# KiCad board Inkplate 6 SS_panel.kicad_pcb (continued)
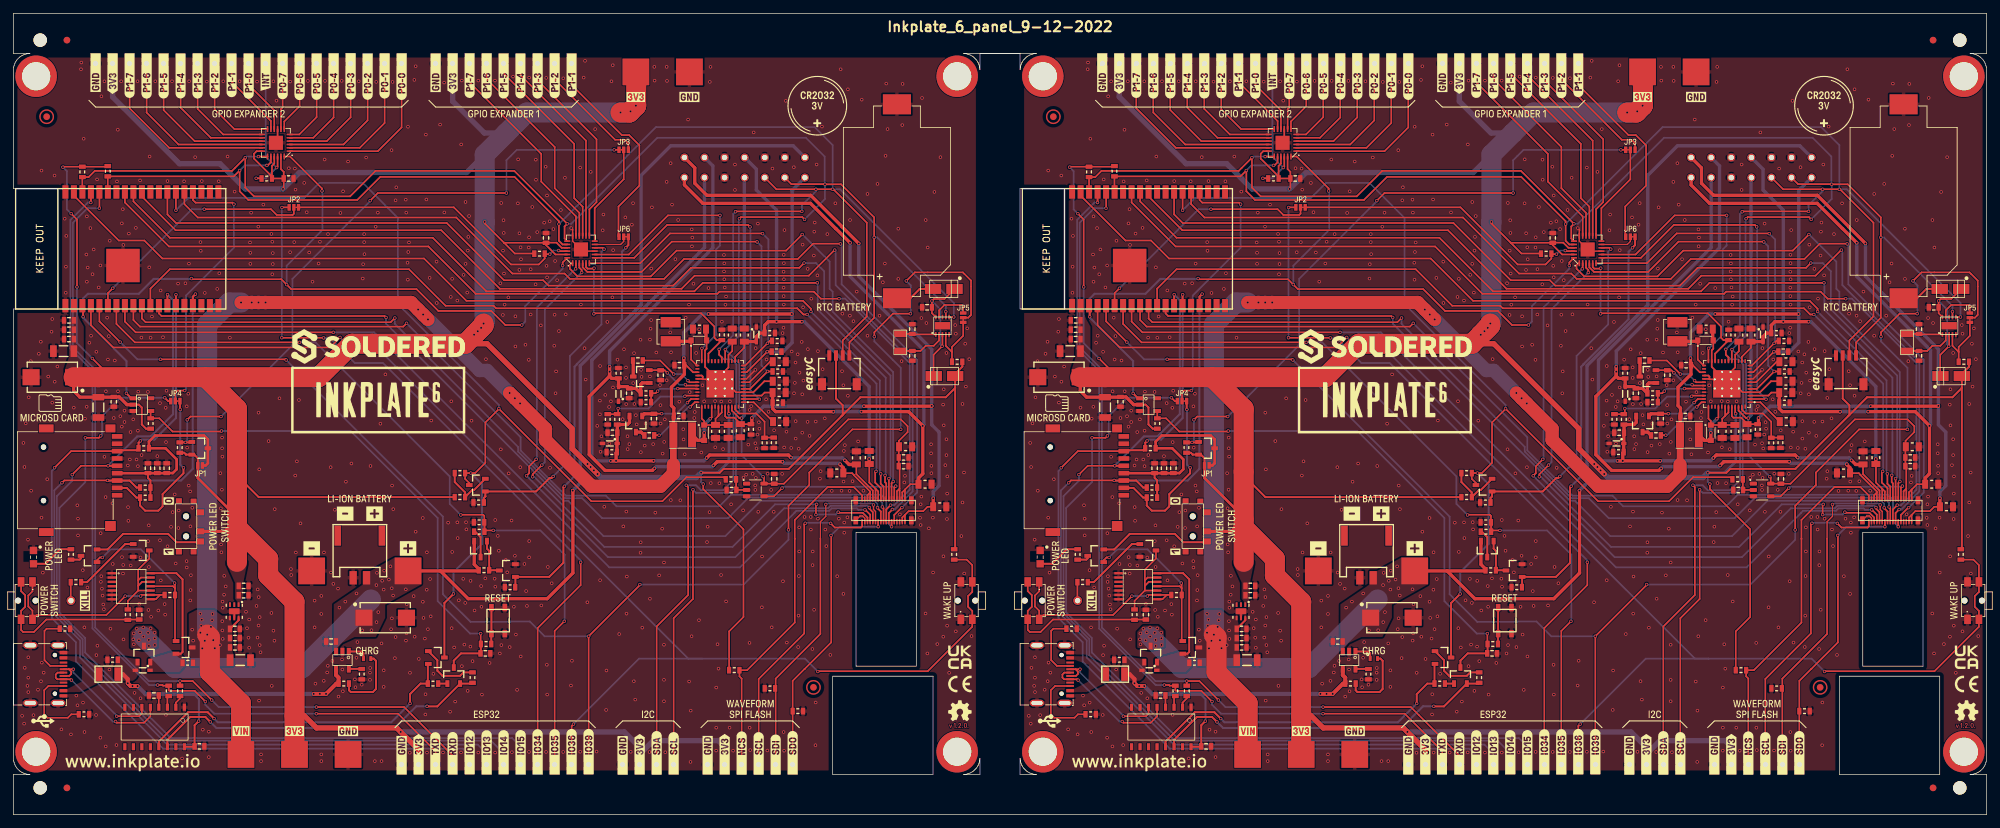
[diagram p0: board, top side]
## Nets (continued)
Board_1-3V3_RTC: C42.2 D10#2.2 D11.2 U10.3 U10.10
Board_1-/CTRL & COMS/CH_RXD: R23.1 U5.3
Board_1-/CTRL & COMS/CH_TXD: R24.1 U5.2
Board_1-/CTRL & COMS/DTR: Q7#2.2 R19.2 U5.13
Board_1-/CTRL & COMS/RTS: Q5.2 R22#2.2 U5.14
Board_1-/MCU/GPB_3: K19.1 U8.13
Board_1-/MCU/GPB_4: K23.1 U8.14
Board_1-/MCU/GPB_5: K24#2.1 U8.15
Board_1-/MCU/GPB_6: K31.1 U8.16
Board_1-/MCU/GPB_7: K32.1 U8.17
Board_1-/MCU/INTB: JP2#2.1 R45#2.2 U8.22
Board_1-/POWER/INT_LDO: C4.2 U1#2.7
Board_1-/POWER/TS: R2.2 R3#2.2 U1#2.47
Board_1-/POWER/VB: C11#2.1 C12#2.2 D3.1 U1#2.37 U1#2.42 U1#2.43
Board_1-/POWER/VB_SW: D3.2 L2.2 U1#2.40
Board_1-/POWER/VN: C3.2 C7.2 C9#2.1 D1.2 U1#2.4 U1#2.16 U1#2.23 U1#2.28 U1#2.29 U1#2.49
Board_1-/POWER/VN_SW: D1.1 L1.2 U1#2.25
Board_1-/POWER/VREF: C1#2.2 U1#2.1
Board_1-/SD_RTC_GPIO/CLKOUT_RTC: JP5#2.3 U10.9
Board_1-/SD_RTC_GPIO/X1: C40.2 U10.1 X1.1
Board_1-/SD_RTC_GPIO/X2: C41#2.2 U10.2 X1.2
Board_1-D+: K3.A6 K3.B6 U5.5
Board_1-D-: K3.A7 K3.B7 U5.6
Board_1-EPD_CKV: K15#2.28 U12.8
Board_1-EPD_CL: K15#2.9 U7#2.4
Board_1-EPD_D0: K15#2.13 U12.26
Board_1-EPD_D1: K15#2.14 U12.29
Board_1-EPD_D2: K15#2.15 U12.30
Board_1-EPD_D3: K15#2.16 U12.31
Board_1-EPD_D4: K15#2.17 U12.37
Board_1-EPD_D5: K15#2.18 U12.10
Board_1-EPD_D6: K15#2.19 U12.11
Board_1-EPD_D7: K15#2.20 U12.12
Board_1-EPD_GMODE: K15#2.26 U8.2
Board_1-EPD_LE: K15#2.10 U12.24
Board_1-EPD_OE: K15#2.11 U8.1
Board_1-EPD_SPH: K15#2.12 U12.9
Board_1-EPD_SPV: K15#2.30 U8.3
Board_1-GND: C1#2.1 C2.1 C3.1 C4.1 C5#2.1 C6#2.1 C7.1 C8.1 C9#2.2 C10.1 C11#2.2 C12#2.1 C13#2.1 C14#2.1 C15#2.1 C18#2.1 C19#2.1 C20#2.2 C21#2.1 C22#2.1 C23#2.1 C24#2.1 C25.1 C26.1 C27.1 C28#2.1 C29#2.1 C30.1 C31.1 C32.1 C33.1 C34#2.1 C35#2.1 C36.1 C37#2.1 C38.1 C39#2.1 C40.1 C41#2.1 C42.1 C43.1 C44#2.1 C45#2.1 C46.1 C47.1 C48.1 C49#2.1 C50#2.2 C51#2.1 C52#2.1 C53#2.1 C54.1 C55#2.1 C56.1 D2.1 D4.2 D5#2.2 D8.2 K1.3 K1.9 K1.10 K1.12 K2#2.2 K3.A1 K3.A12 K3.B1 K3.B12 K3.SH K6.1 K8#2.4 K8#2.5 K13.6 K14.- K15#2.6 K15#2.8 K15#2.31 K15#2.32 K15#2.SH K54.1 K55#2.1 K57#2.1 K58#2.1 L1.1 PAD2#2.1 PAD3#2.1 PAD7#2.1 Q3#2.2 Q6.2 R2.1 R3#2.1 R5.2 R6.2 R7.2 R8#2.2 R10#2.2 R12.2 R13.2 R15.1 R17.1 R20.2 R29.1 R32#2.1 R34#2.1 R35.1 R37.1 R38#2.1 R40.1 R42#2.1 R43.1 SW2#2.1 SW3.1 U1#2.6 U1#2.8 U1#2.33 U1#2.41 U1#2.48 U2.2 U3.5 U4.1 U4.2 U4.5 U4.6 U4.7 U5.1 U6#2.3 U7#2.3 U8.9 U8.18 U8.25 U9#2.9 U9#2.25 U10.5 U12.1 U12.15 U12.38 U12.39
Board_1-GPIO15: JP4#2.3 K29.1
Board_1-GPIO_0: Q7#2.3 Q9#2.3 R28#2.1 R50.1 U12.25
Board_1-GPIO_0_MOSFET: Q9#2.1 R29.2 U8.10
Board_1-GPIO_36: K28.1 R31#2.1 SW3.2 U12.4
Board_1-GPIO_39: JP5#2.2 K27.1 U12.5
Board_1-I2C_SCL: K1.6 K5.1 K8#2.1 R1#2.1 U1#2.17 U8.19 U9#2.19 U10.7 U12.36
Board_1-I2C_SDA: K1.5 K8#2.2 K9.1 R4.1 U1#2.18 U8.20 U9#2.20 U10.6 U12.33
Board_1-INT: U1#2.2 U8.7
Board_1-IO34: JP2#2.2 U12.6
Board_1-MANUAL_RST: C28#2.2 Q5.3 R30#2.2 R46.1 U6#2.4
Board_1-Net-(C16-Pad1): C16.1 D6#2.3
Board_1-Net-(C17-Pad2): C17#2.2 D9#2.3
Board_1-Net-(C26-Pad2): C26.2 U5.4
Board_1-Net-(C27-Pad2): C27.2 R26#2.1 SW1#2.2
Board_1-Net-(C35-Pad2): C35#2.2 R50.2 U7#2.2
Board_1-Net-(D7-Pad1): D7.1 R9#2.2
Board_1-Net-(D7-Pad2): D7.2 U2.1
Board_1-Net-(D8-Pad1): D8.1 R14.2
Board_1-Net-(D11-Pad1): D11.1 K14.+
Board_1-Net-(F1-Pad2): F1.2 K3.A4 K3.A9 K3.B4 K3.B9
Board_1-Net-(JP2-Pad3): JP2#2.3 K17#2.1
Board_1-Net-(JP3-Pad2): JP3#2.2 U8.12
Board_1-Net-(JP3-Pad3): JP3#2.3 K33.1
Board_1-Net-(JP4-Pad1): JP4#2.1 K13.2 R47#2.1
Board_1-Net-(JP5-Pad1): JP5#2.1 R33.1 U10.4
Board_1-Net-(JP6-Pad2): JP6#2.2 U8.11
Board_1-Net-(JP6-Pad3): JP6#2.3 K34#2.1
Board_1-Net-(K3-PadA5): K3.A5 R13.1
Board_1-Net-(K3-PadB5): K3.B5 R12.1
Board_1-Net-(K4-Pad1): K4#2.1 R21.2
Board_1-Net-(K10-Pad1): K10#2.1 K15#2.22 R34#2.2
Board_1-Net-(K11-Pad1): K11.1 K15#2.24 R35.2
Board_1-Net-(K12-Pad1): K12.1 K15#2.33 R36.2
Board_1-Net-(K15-Pad34): K15#2.34 K16.1
Board_1-Net-(K35-Pad1): K35#2.1 U9#2.1
Board_1-Net-(K36-Pad1): K36#2.1 U9#2.2
Board_1-Net-(K37-Pad1): K37.1 U9#2.3
Board_1-Net-(K38-Pad1): K38#2.1 U9#2.4
Board_1-Net-(K39-Pad1): K39.1 U9#2.5
Board_1-Net-(K40-Pad1): K40.1 U9#2.6
Board_1-Net-(K41-Pad1): K41.1 U9#2.7
Board_1-Net-(K42-Pad1): K42.1 U9#2.8
Board_1-Net-(K43-Pad1): K43#2.1 U9#2.10
Board_1-Net-(K44-Pad1): K44#2.1 U9#2.11
Board_1-Net-(K45-Pad1): K45.1 U9#2.12
Board_1-Net-(K46-Pad1): K46#2.1 U9#2.13
Board_1-Net-(K47-Pad1): K47#2.1 U9#2.14
Board_1-Net-(K48-Pad1): K48.1 U9#2.15
Board_1-Net-(K49-Pad1): K49#2.1 U9#2.16
Board_1-Net-(K50-Pad1): K50.1 U9#2.17
Board_1-Net-(K53-Pad1): K53.1 R51.2 U9#2.22
Board_1-Net-(Q1-Pad1): Q1.1 Q3#2.3 R11#2.1
Board_1-Net-(Q1-Pad3): Q1.3 R16.2
Board_1-Net-(Q2-Pad2): Q2#2.2 S1.3
Board_1-Net-(Q2-Pad3): Q2#2.3 R14.1
Board_1-Net-(Q5-Pad1): Q5.1 R19.1
Board_1-Net-(Q6-Pad1): Q6.1 R21.1
Board_1-Net-(Q6-Pad3): Q6.3 R26#2.2 U4.10 U4.12 U4.13
Board_1-Net-(Q7-Pad1): Q7#2.1 R22#2.1
Board_1-Net-(Q9-Pad2): Q9#2.2 R27.1 R28#2.2
Board_1-Net-(R10-Pad1): R10#2.1 U2.5
Board_1-Net-(R25-Pad1): R25#2.1 SW1#2.1 U4.8 U4.9
Board_1-Net-(R30-Pad1): R30#2.1 SW2#2.2
Board_1-PWR_GOOD: U1#2.24 U8.8
Board_1-PWRUP: R7.1 U1#2.22 U8.5
Board_1-RST: U6#2.1 U8.24 U9#2.24 U12.3
Board_1-RXD: K21#2.1 R24.2 U12.34
Board_1-SD_ENABLE: JP3#2.1 Q10.1 R44.2
Board_1-SPI_CS: JP4#2.2 U12.23
Board_1-SPI_MISO: K13.7 K25.1 R49#2.1 U12.14
Board_1-SPI_MOSI: K13.3 K26.1 R48.1 U12.16
Board_1-SPI_SCK: K13.5 K22.1 U12.13
Board_1-SW_IN: D12.2 Q4.2 Q8.2 R18#2.1 U4.14
Board_1-SW_OUT_D: Q2#2.1 Q8.1 R25#2.2 U4.11
Board_1-TXD: K20.1 R23.2 U12.35
Board_1-unconnected-(K3-PadA8): K3.A8
Board_1-unconnected-(K3-PadB8): K3.B8
Board_1-unconnected-(K13-Pad1): K13.1
Board_1-unconnected-(K13-Pad8): K13.8
Board_1-unconnected-(S1-Pad1): S1.1
Board_1-unconnected-(U3-Pad3): U3.3
Board_1-unconnected-(U4-Pad3): U4.3
Board_1-unconnected-(U4-Pad4): U4.4
Board_1-unconnected-(U5-Pad9): U5.9
Board_1-unconnected-(U5-Pad10): U5.10
Board_1-unconnected-(U5-Pad11): U5.11
Board_1-unconnected-(U5-Pad12): U5.12
Board_1-unconnected-(U5-Pad15): U5.15
Board_1-unconnected-(U6-Pad5): U6#2.5
Board_1-unconnected-(U7-Pad1): U7#2.1
Board_1-unconnected-(U10-Pad8): U10.8
Board_1-unconnected-(U12-Pad17): U12.17
Board_1-unconnected-(U12-Pad18): U12.18
Board_1-unconnected-(U12-Pad19): U12.19
Board_1-unconnected-(U12-Pad20): U12.20
Board_1-unconnected-(U12-Pad21): U12.21
Board_1-unconnected-(U12-Pad22): U12.22
Board_1-V_BAT: K18.1 R16.1 R17.2 U12.7
Board_1-V_BAT_MOS: JP6#2.1 Q3#2.1 R15.2
Board_1-VBAT: C20#2.1 C21#2.2 K1.8 K2#2.1 PAD1#2.1 Q1.2 Q4.3 R11#2.2 U2.3
Board_1-VCOM: C6#2.2 C54.2 D4.1 K1.11 K15#2.21 K15#2.23 R37.2 U1#2.14
Board_1-VCOM_CTRL: R6.1 U1#2.12 U8.6
Board_1-VDDH: C14#2.2 C45#2.2 D2.2 D9#2.2 K1.2 K15#2.25 R32#2.2 R39#2.2
Board_1-VEE: C15#2.2 C52#2.2 D5#2.1 D6#2.1 K1.13 K15#2.27 K15#2.29 R38#2.2 R41#2.2
Board_1-VIN: C5#2.2 C8.2 C10.2 C22#2.2 C23#2.2 C24#2.2 C36.2 K1.7 L2.1 PAD4#2.1 Q8.3 R18#2.2 U1#2.10 U1#2.27 U3.4 U3.6
Board_1-VNEG: C2.2 C39#2.2 K1.1 K15#2.1 K15#2.3 R8#2.1 U1#2.3
Board_1-VPOS: C13#2.2 C51#2.2 K1.14 K15#2.2 K15#2.4 R20.1 U1#2.44
Board_1-VUSB: C25.2 D12.1 F1.1 Q4.1 R9#2.1 R43.2 U2.4 U5.16
Board_1-WAKEUP: R5.1 U1#2.5 U8.4

Pads without a net: FD1 1; FD1#2 1; FD2 1; FD2#2 1; K13 12 CD MNT; K13#2 12 CD MNT; S1 MH1 MH2 MP1 MP2 MP3 MP4; S1#2 MH1 MH2 MP1 MP2 MP3 MP4; U1 9 11 13 15 19 20 21 26 38 39; U1#2 9 11 13 15 19 20 21 26 38 39; U3 2; U3#2 2; U5 7 8; U5#2 7 8; U12 27 28 32; U12#2 27 28 32

## Via types
v1: diameter 0.5, hole 0.3, Top to Bottom, 2328 vias

## Routing (per net, layer and track width the routed paths; a pad name or vN(x,y) marks a point on that pad's centre or on a via; arc(x,y) is an arc through that point)
Board_0-/POWER/VDDH_D: length 9.3
  Top w0.254: U1.35 101.25,62.15 v1(100.7,61.6) ; C19.2 95.72,59.95 v1(96.85,59.95)
  Top w0.5: D9.1 94.28,59.93 C19.2
  Bottom w0.254: v1(100.7,61.6) 99.05,59.95 v1(96.85,59.95)
Board_0-/POWER/VDDH_DRV: length 8.5
  Top w0.254: C17.1 95.76,56.73 v1(96.47,56.73) ; v1(101.1,60.95) 101.8,61.65 U1.36
  Bottom w0.254: v1(101.1,60.95) 100.87,60.95 96.65,56.73 v1(96.47,56.73)
Board_0-/POWER/VDDH_FB: length 14.9
  Top w0.254: v1(100.33,62.55) 100.43,62.65 U1.34 ; R40#2.2 R39.1 90.35,60.03 v1(90.35,60.72)
  Bottom w0.254: v1(100.33,62.55) 100.28,62.5 96.67,62.5 94.89,60.72 v1(90.35,60.72)
Board_0-/POWER/VEE_D: length 8.1
  Top w0.254: D6.2 96.68,66.45 C18.2 97.31,66.43 v1(97.69,66.05) ; U1.31 100.52,64.15 v1(100.39,64.28)
  Bottom w0.254: v1(100.39,64.28) 99.46,64.28 v1(97.69,66.05)
Board_0-/POWER/VEE_DRV: length 9.5
  Top w0.254: U1.30 101.01,64.65 v1(100.77,64.89) ; C16#2.2 96.62,67.9 v1(98.65,65.87)
  Bottom w0.254: v1(100.77,64.89) 99.79,65.87 v1(98.65,65.87)
Board_0-/POWER/VEE_FB: length 8.6
  Top w0.254: v1(96.25,63.32) 95.93,63 R41.1 95.28,61.6 ; U1.32 102.14,63.7 v1(99.25,63.7)
  Bottom w0.254: v1(96.25,63.32) 96.59,63.66 99.21,63.66 v1(99.25,63.7)
Board_1-/POWER/VDDH_D: length 9.3
  Top w0.254: v1(247.25,59.95) 246.12,59.95 C19#2.2 ; v1(251.1,61.6) 251.65,62.15 U1#2.35
  Top w0.5: D9#2.1 244.68,59.93 C19#2.2
  Bottom w0.254: v1(247.25,59.95) 249.45,59.95 v1(251.1,61.6)
Board_1-/POWER/VDDH_DRV: length 8.5
  Top w0.254: v1(251.5,60.95) 252.2,61.65 U1#2.36 ; v1(246.87,56.73) 246.16,56.73 C17#2.1
  Bottom w0.254: v1(251.5,60.95) 251.27,60.95 247.05,56.73 v1(246.87,56.73)
Board_1-/POWER/VDDH_FB: length 14.9
  Top w0.254: v1(250.73,62.55) 250.83,62.65 U1#2.34 ; v1(240.75,60.72) 240.75,60.03 R39#2.1 R40.2
  Bottom w0.254: v1(240.75,60.72) 245.29,60.72 247.07,62.5 250.68,62.5 v1(250.73,62.55)
Board_1-/POWER/VEE_D: length 8.1
  Top w0.254: U1#2.31 250.92,64.15 v1(250.79,64.28) ; D6#2.2 247.08,66.45 C18#2.2 247.71,66.43 v1(248.09,66.05)
  Bottom w0.254: v1(248.09,66.05) 249.86,64.28 v1(250.79,64.28)
Board_1-/POWER/VEE_DRV: length 9.5
  Top w0.254: v1(251.17,64.89) 251.41,64.65 U1#2.30 ; v1(249.05,65.87) 247.02,67.9 C16.2
  Bottom w0.254: v1(251.17,64.89) 250.19,65.87 v1(249.05,65.87)
Board_1-/POWER/VEE_FB: length 8.6
  Top w0.254: v1(246.65,63.32) 246.33,63 R41#2.1 245.68,61.6 ; v1(249.65,63.7) 252.54,63.7 U1#2.32
  Bottom w0.254: v1(249.65,63.7) 249.61,63.66 246.99,63.66 v1(246.65,63.32)
Board_0-3V3: length 696.5
  Top w0.254: R36#2.1 106.93,27.4 109.08,29.55 109.08,42.67 103.06,48.68 v1(103.06,49.42) ; v1(11.8,68.2) 13.65,66.35 ; v1(8.63,89.86) 9.5,88.99 v1(9.5,78.9) ; 140.5,39.6 140.5,39.63 R31.2 ; R45.1 77.8,83.9 74.91,83.9 73.29,85.52 ; C55.2 79.58,85.15 80.98,83.75 U8#2.23 ; C55.2 79.6,85.52 81.15,85.52 81.92,84.75 U8#2.21 ; C55.2 73.31,85.5 73.29,85.52 ; R4#2.2 14,96.88 R1.2 7.48,96.88 v1(7.4,96.8) ; R51#2.1 38.63,95.41 35.94,98.09 35.94,98.81 36.33,99.2 U9.18 ; R51#2.1 38.63,97 38.97,97.34 U9.21 ; R51#2.1 C56#2.2 ; 73.29,85.52 70.42,88.39 v1(70.42,88.62) ; C56#2.2 40.39,93.64 40.3,93.55 ; C56#2.2 40.39,96.11 39.97,96.53 U9.23 ; 123.9,59.76 123.72,59.58 ; U1.45 106.84,60.03 v1(106.91,59.95)
  Top w0.3: 33.4,51.26 33.4,50.72 36.65,47.47 R27#2.2 ; R44#2.1 25.53,54.11 25.78,53.85 25.78,53.83 Q10#2.2 27.02,53.83 27.55,53.3 JP1.2 ; R33#2.2 141.78,66.98 140.7,65.9 D10.1 140.7,63.8 ; R46#2.2 19.82,57.71 19.18,58.34 19.18,60.87 18.75,61.3 U6.2 ; 140.7,63.8 139.3,62.4 126.54,62.4 115.84,51.7 106.1,51.7 105.52,51.12 v1(102.74,51.12) ; 140.7,63.8 140.7,39.8 140.5,39.6 ; 123.9,59.76 123.9,61.2 122.9,62.2 K8.3
  Top w0.4: JP1.2 27.55,50.33 33.4,44.48 33.4,44.13
  Top w0.5: S1#2.2 31.62,42.35 33.4,44.13 ; U6.2 16.97,61.3 15.82,62.46 C30#2.2 14.97,62.43 C29.2 9.93,62.43 9,63.36 C50.1
  Top w0.8: K52#2.1 60.54,9.69 v1(57.87,12.37) 57.27,12.96 45.29,12.96 43.44,14.81 42,14.81 ; v1(87.28,50.93) 83.48,54.73 83.48,57.7 70.78,70.4 67.5,70.4
  Top w1.2: 52,69.81 50.28,69.81 50.12,69.65 50.12,69.64 48.94,68.46 50.88,70.4 53.6,70.4
  Top w3: 93,110.8 93.05,110.75 93.05,106.05 v1(93,106) 93,105.95 v1(92.2,105.15) 92.03,104.98 v1(90.7,104.98) ; C50.1 28.7,65.4 ; 28.7,65.4 33.4,60.7 33.4,42.92 ; 28.7,65.4 45.6,65.4 50.6,70.4 67.5,70.4 68.83,71.73 v1(68.83,71.75) 69.85,72.78 v1(69.88,72.78) v1(69.38,72.28) 70.25,73.15 v1(70.25,73.43) ; 33.4,42.92 33.4,37.8 ; 33.4,42.92 38.07,38.25 38.07,35.76 42,31.83 PAD6.1
  Bottom w0.254: v1(8.63,89.86) 8,90.49 8,96.2 v1(7.4,96.8) ; v1(11.8,68.2) 9.5,70.5 v1(9.5,78.9) ; v1(102.74,51.12) 102.74,49.74 v1(103.06,49.42)
  Bottom w0.4: v1(102.74,51.12) 105.25,51.12 106.91,52.79 v1(106.91,59.95)
  Bottom w0.8: v1(85.78,52.43) 87.8,50.4 102.02,50.4 v1(102.74,51.12) ; K51#2.1 65.62,106.66 70.36,101.91 73.64,101.91 ; K56#2.1 14.82,107.31 24.8,97.33 30.88,97.33 34.65,93.55 v1(40.28,93.55) 42.73,96 67.73,96 70.42,98.7 ; K30#2.1 106.26,10.13 105.32,11.07 95.6,11.07 93.56,9.03 K7#2.1 93.56,10.07 91.27,12.37 v1(57.87,12.37)
  Bottom w3: v1(68.83,71.75) 69.85,72.78 v1(69.88,72.78) v1(69.38,72.28) 70.25,73.15 v1(70.25,73.43) 70.4,73.58 70.4,88.6 v1(70.42,88.62) 70.42,98.7 76.7,104.98 v1(90.7,104.98) 92.03,104.98 v1(92.2,105.15) 93,105.95 v1(93,106)
  vias: v1(86.25,51.98) v1(86.73,51.48)
Board_0-3V3-EINK: length 88.9
  Top w0.254: v1(112,50.53) 112.15,50.38 U7.5 113.66,49.49 C31#2.2 115.11,49.48 124.73,59.1 132.58,59.1 133.6,58.08 133.6,57.2 132.29,55.89 132.29,54.75 132.27,54.73 C44.2 C43#2.2 132.4,51.97 K15.5 ; K15.7 132,48.35 132.4,48.75 ; U1.46 107.34,60.42 108.46,59.29 v1(108.8,59.29)
  Bottom w0.254: v1(112,50.53) 108.8,53.73 v1(108.8,59.29)
  Bottom w0.5: v1(108.8,59.29) 109.2,59.69 109.2,95.2 K1#2.4
Board_0-3V3_MICROSD: length 34.2
  Top w0.3: C34.2 20.1,50.35 20.48,49.98 R47.2
  Top w0.4: K13#2.4 22.88,51.05 C32#2.2 23.82,51.07 24.39,51.64 24.39,53.11 22.73,54.78 R49.2 20.25,55.77 21.16,56.68 28.49,56.68 29.06,56.11 Q10#2.3 29.06,52.53 28.74,52.21 JP1.1
Board_0-3V3_RTC: length 20.9
  Top w0.254: U10#2.3 138.8,70.08 v1(138.75,70.03) 137.47,68.75 137.47,65.6 D10.2 ; D11#2.2 139.1,77.1 137.53,77.1 v1(137.23,76.8) C42#2.2 137.23,74.97 U10#2.10
  Bottom w0.254: v1(137.23,76.8) 138.5,75.53 138.5,70.28 v1(138.75,70.03)
Board_0-/CTRL & COMS/CH_RXD: length 1.8
  Top w0.254: U5#2.3 23.01,17.53 R23#2.1
Board_0-/CTRL & COMS/CH_TXD: length 1.9
  Top w0.254: U5#2.2 24.28,16.75 24.9,17.37 R24#2.1
Board_0-/CTRL & COMS/DTR: length 49.6
  Top w0.3: v1(59.26,16.62) 59.26,18.02 60.83,19.59 R19#2.2 61.92,22.47 Q7.2 ; U5#2.13 21.74,10.94 26.11,15.31 29.03,15.31 v1(29.98,14.36)
  Bottom w0.3: v1(59.26,16.62) 56.45,13.81 30.53,13.81 v1(29.98,14.36)
Board_0-/CTRL & COMS/RTS: length 51.5
  Top w0.3: v1(61.8,16.2) 61.82,16.18 63.33,16.18 Q5#2.2 68.47,19.59 R22.2 ; v1(29.42,13.86) 28.67,14.61 26.43,14.61 23.01,11.19 U5#2.14
  Bottom w0.3: v1(61.8,16.2) 60.2,16.2 56.95,12.95 30.33,12.95 v1(29.42,13.86)
Board_0-/MCU/GPB_3: length 29.8
  Top w0.254: U8#2.13 86.05,90.52 87.12,91.59 87.12,100.98 78.32,109.78 K19#2.1
Board_0-/MCU/GPB_4: length 29.8
  Top w0.254: U8#2.14 85.55,100.78 75.78,110.55 K23#2.1
Board_0-/MCU/GPB_5: length 30.6
  Top w0.254: U8#2.15 85.05,90.9 83.78,92.17 83.78,100.29 73.24,110.83 K24.1
Board_0-/MCU/GPB_6: length 31.5
  Top w0.254: K31#2.1 70.7,109.99 80.87,99.82 80.87,93.66 84.55,89.98 U8#2.16
Board_0-/MCU/GPB_7: length 32.3
  Top w0.254: U8#2.17 84.05,89.45 78.86,94.64 78.86,98.79 68.16,109.49 K32#2.1
Board_0-/MCU/INTB: length 45.1
  Top w0.254: v1(81.46,84.34) 81.55,84.25 U8#2.22 ; v1(80.14,83.8) 79.45,83.8 R45.2 79.38,83.14 78.5,82.26 74.34,82.26 65.8,90.8 JP2.1
  Bottom w0.254: v1(81.46,84.34) 80.68,84.34 v1(80.14,83.8)
Board_0-/POWER/INT_LDO: length 5.7
  Top w0.254: C4#2.2 113.04,67.72 109.97,64.65 U1.7
Board_0-/POWER/TS: length 9.4
  Top w0.254: U1.47 107.84,60.57 108.43,59.98 110.99,59.98 112.22,58.75 R3.2 112.25,56.38 R2#2.2
Board_0-/POWER/VB: length 11
  Top w0.254: 105.34,59.63 104.9,59.19 C11.1 ; 105.34,59.63 105.84,60.13 U1.43 ; 105.34,59.63 U1.42 ; U1.37 102.84,59.22 103.2,58.85 D3#2.1 106.78,58.25 C12.2
Board_0-/POWER/VB_SW: length 7.7
  Top w0.254: v1(104.1,59.18) 104.34,59.42 U1.40
  Top w0.5: v1(103.2,57.07) D3#2.2 102.25,55.95 L2#2.2
  Bottom w0.5: v1(104.1,59.18) 103.2,58.28 v1(103.2,57.07)
Board_0-/POWER/VN: length 22.6
  Top w0.254: D1#2.2 103.56,70.89 103.56,69.65 103.34,69.43 U1.23 103.34,66.95 104.08,66.2 U1.49 ; C3#2.2 112.2,64.8 110.55,63.15 U1.4 107.95,63.15 U1.49 ; 102.91,65.15 102.98,65.09 U1.49 ; 102.91,65.15 102.99,65.23 102.99,65.49 102.83,65.65 U1.28 ; 102.91,65.15 U1.29 ; C7#2.2 107.4,69.3 106.84,68.74 U1.16 106.84,66.86 U1.49
  Top w0.5: C9.1 103.48,70.98 D1#2.2
Board_0-/POWER/VN_SW: length 7.3
  Top w0.254: U1.25 102.13,67.15 101.25,68.03 D1#2.1
  Top w0.5: D1#2.1 101.13,70.78 L1#2.2
Board_0-/POWER/VREF: length 5.7
  Top w0.254: C1.2 110.61,61.65 U1.1
Board_0-/SD_RTC_GPIO/CLKOUT_RTC: length 6
  Top w0.254: JP5.3 141.9,76 141.7,76.2 139.1,76.2 138.3,75.4 U10#2.9
Board_0-/SD_RTC_GPIO/X1: length 5.3
  Top w0.254: X1#2.1 134.29,71.88 C40#2.2 134.37,71.8 U10#2.1
Board_0-/SD_RTC_GPIO/X2: length 7.4
  Top w0.254: X1#2.2 C41.2 135.53,69.33 136.3,70.1 137.5,70.1 138.3,70.9 U10#2.2
Board_0-D+: length 20.4
  Top w0.254: U5#2.5 20.47,14.69 19.52,13.74 15.44,13.74 v1(15.26,13.92) ; K3#2.A6 6.61,21.24 6.32,20.95 6.32,20.48 6.56,20.24 K3#2.B6 8.54,20.24 v1(8.67,20.11)
  Bottom w0.254: v1(8.67,20.11) 14.87,13.91 15.25,13.91 v1(15.26,13.92)
Board_0-D-: length 18.2
  Top w0.254: U5#2.6 19.2,15.11 18.8,14.71 v1(15.43,14.71) ; 8.28,21.74 8.29,21.74 v1(8.95,21.74) ; 8.28,21.74 8.64,21.38 8.64,21.03 8.35,20.74 K3#2.A7 ; 8.28,21.74 K3#2.B7
  Bottom w0.254: v1(8.95,21.74) 8.95,21.27 15.43,14.79 v1(15.43,14.71)
Board_0-EPD_CKV: length 134
  Top w0.254: v1(47.8,72.11) 18.27,72.11 16.66,73.72 U12#2.8 ; K15.28 128,44.85 127.4,45.45 127.23,45.45
  Bottom w0.254: v1(127.23,45.58) 126.24,45.58 126.02,45.79 122.26,45.79 121.89,45.42 116.97,45.42 116.7,45.15 116.7,45.13 108.55,36.98 89.03,36.98 53.89,72.11 v1(47.8,72.11)
Board_0-EPD_CL: length 22.3
  Top w0.254: v1(114.84,48.82) 113.61,47.59 U7.4 ; K15.9 131.6,48.9 v1(131.83,49.13)
  Bottom w0.254: v1(114.84,48.82) 115.05,49.03 131.73,49.03 v1(131.83,49.13)
Board_0-EPD_D0: length 146
  Top w0.254: v1(130.8,50.25) K15.13 ; v1(118.13,82.47) 117.42,81.76 101.23,81.76 98.57,79.1 79.95,79.1 79.15,79.9 73.3,79.9 64.75,88.45 24.3,88.45 23.01,89.74 U12#2.26
  Bottom w0.254: v1(118.13,82.47) 119.9,82.47 121.13,81.24 121.13,75.55 131.05,65.64 131.05,50.49 v1(130.8,50.25)
Board_0-EPD_D1: length 159.4
  Top w0.254: v1(131.33,45.63) 130.8,45.1 K15.14 ; v1(122.71,84.41) 122.67,84.41 118.84,80.58 101.78,80.58 99.83,78.63 72.67,78.63 63.92,87.38 24.24,87.38 19.2,92.41 U12#2.29
  Bottom w0.254: v1(131.33,45.63) 131.65,45.63 134.34,48.31 134.34,67.68 122.85,79.17 122.85,84.27 v1(122.71,84.41)
Board_0-EPD_D2: length 146.3
  Top w0.254: K15.15 130.4,49.53 130.23,49.7 v1(130.23,50.73) ; U12#2.30 17.93,91.69 23.37,86.25 62.65,86.25 70.65,78.25 101.74,78.25 102.99,79.5 120.08,79.5 v1(120.1,79.52)
  Bottom w0.254: v1(130.23,50.73) 130.33,50.83 130.33,65.34 120.17,75.49 120.17,79.45 v1(120.1,79.52)
Board_0-EPD_D3: length 154.5
  Top w0.254: U12#2.31 16.66,91.53 23.24,84.95 62,84.95 69.08,77.87 105.17,77.87 105.49,78.19 119.6,78.19 120.65,77.14 v1(123.35,77.14) ; K15.16 130.4,45.63 v1(131.05,46.28)
  Bottom w0.254: v1(123.35,77.14) 123.36,77.15 124.27,77.15 133.91,67.51 133.91,48.59 131.6,46.28 v1(131.05,46.28)
Board_0-EPD_D4: length 150.6
  Top w0.254: v1(119.15,75.22) 119.15,75.64 117.97,76.82 67.68,76.82 61.35,83.15 22.25,83.15 19.56,85.84 15.75,85.84 9.04,92.55 U12#2.37 ; v1(129.58,50.95) 129.58,49.48 130,49.05 K15.17
  Bottom w0.254: v1(129.58,50.95) 129.45,51.08 129.45,64.92 v1(119.15,75.22)
Board_0-EPD_D5: length 130.8
  Top w0.254: K15.18 130,45.83 v1(129.83,46) ; v1(56.99,74.25) 56.36,73.62 19.76,73.62 19.2,74.18 U12#2.10
  Bottom w0.254: v1(56.99,74.25) 56.99,73.39 75.4,54.98 75.4,54.29 82.38,47.31 84.97,47.31 87.95,44.33 106.75,44.33 109.83,47.4 129.03,47.4 129.83,46.6 v1(129.83,46)
Board_0-EPD_D6: length 137
  Top w0.254: K15.19 129.6,48.8 128.75,49.65 128.75,51.2 v1(128.88,51.33) ; v1(118.59,74.78) 118.04,74.78 117.11,75.71 72.11,75.71 71.74,76.08 64.57,76.08 59.1,81.55 23.38,81.55 20.47,78.65 U12#2.11
  Bottom w0.254: v1(118.59,74.78) 118.6,74.78 128.95,64.43 128.95,51.4 v1(128.88,51.33)
Board_0-EPD_D7: length 128.1
  Top w0.254: U12#2.12 21.74,74.94 22.13,74.55 55.46,74.55 v1(55.68,74.33) ; v1(129.1,45.88) 129.1,45.83 129.6,45.33 K15.20
  Bottom w0.254: v1(55.68,74.33) 55.68,73.41 82.16,46.93 82.88,46.93 88.16,41.65 106.38,41.65 111.65,46.93 128.65,46.93 129.1,46.48 v1(129.1,45.88)
Board_0-EPD_GMODE: length 96.7
  Top w0.254: v1(76.66,50.66) 77.05,51.05 77.05,52.07 v1(78.1,53.12) ; v1(84,81.6) 84.05,81.65 U8#2.2 ; K15.26 128.4,45.23 127.88,45.75 v1(127.88,45.93)
  Bottom w0.254: v1(78.1,53.12) 78.21,53.23 78.21,75.84 83.98,81.6 v1(84,81.6) ; v1(127.88,45.93) 127.63,46.17 122.1,46.17 121.73,45.8 115.15,45.8 107.85,38.5 88.83,38.5 76.67,50.66 v1(76.66,50.66)
Board_0-EPD_LE: length 154.4
  Top w0.254: v1(132.75,45.9) 132.7,45.9 131.6,44.8 K15.10 ; v1(123.57,85.33) 123.53,85.37 119.48,85.37 117.18,83.07 100.19,83.07 97.22,80.1 83.15,80.1 82.35,80.9 74.55,80.9 66.17,89.28 27.55,89.28 25.55,91.28 U12#2.24
  Bottom w0.254: v1(132.75,45.9) 135.01,48.16 135.01,68.02 123.74,79.29 123.74,85.16 v1(123.57,85.33)
Board_0-EPD_OE: length 84.2
  Top w0.254: v1(117.85,86.74) 115.44,84.33 99.08,84.33 95.23,80.48 84.27,80.48 83.13,81.62 83.13,82.19 83.39,82.45 U8#2.1 ; K15.11 131.2,49.55 v1(131.45,49.8)
  Bottom w0.254: v1(117.85,86.74) 117.89,86.74 121.95,82.68 121.95,78.63 122.4,78.18 122.4,75.2 131.43,66.18 131.43,49.83 v1(131.45,49.8)
Board_0-EPD_SPH: length 133.9
  Top w0.254: v1(58.74,73.46) 58.25,72.97 18.91,72.97 17.93,73.95 U12#2.9 ; v1(131.2,43.05) K15.12
  Bottom w0.254: v1(131.2,43.05) 130.43,43.82 130.43,47.05 129.65,47.83 107.2,47.83 105.48,46.1 90.1,46.1 88.51,47.69 82.53,47.69 75.78,54.45 75.78,56.43 v1(58.74,73.46)
Board_0-EPD_SPV: length 94.9
  Top w0.254: v1(78.95,52.26) 77.58,50.89 v1(77.58,50.51) ; v1(123.23,45.23) 123.33,45.13 126.9,45.13 127.6,44.42 K15.30 ; U8#2.3 84.55,81.78 84.9,81.43 v1(84.9,81.05) ; v1(119.9,44.85) 119.9,46.29 v1(120,46.39)
  Bottom w0.254: v1(119.9,44.85) 119.93,44.88 122.88,44.88 v1(123.23,45.23) ; v1(77.58,50.51) 77.8,50.51 88.29,40.03 107.43,40.03 113.79,46.39 v1(120,46.39) ; v1(84.9,81.05) 79.4,75.55 79.4,52.71 v1(78.95,52.26)
Board_0-GND: length 13.9
  Top w0.2: U1.8 109.5,65.15 v1(110.85,66.5) ; 107.1,61.85 v1(107.05,61.8) ; U8#2.9 85.05,84.25 U8#2.25 83.55,85.75 U8#2.18 83.55,87.48 v1(83.33,87.7) ; K15.32 127.2,44.32 126.87,44.65 126.5,44.65 K15.SH
  Top w0.254: U9.25 39.47,100.7 U9.9 ; U3#2.5 U3#2.5
  vias: v1(1.3,14.77) v1(1.5,55.58) v1(1.65,51.98) v1(1.6,13.6) v1(1.7,21.95) v1(1.85,58.5) v1(2.1,19.25) v1(2.18,41.11) v1(2.23,23.53) v1(2.23,20.48) v1(2.23,18.33) v1(2.3,62.4) v1(2.6,67.8) v1(2.65,48.43) v1(3,14.88) v1(3.68,18.68) v1(3.8,68.9) v1(4.1,70.7) v1(4.13,19.95) v1(4.2,96.3) v1(4.2,44.4) v1(4.25,22.73) v1(4.4,36.18) v1(4.53,21.23) v1(5.05,50.15) v1(5.2,65.5) v1(5.7,72.2) v1(5.8,74.1) v1(5.8,61.6) v1(6.15,95.55) v1(6.18,64.73) v1(6.58,67) v1(7.18,12.75) v1(7.68,89.1) v1(7.85,81.93) v1(7.83,78.03) v1(7.9,86.53) v1(8.6,12) v1(9.03,60.85) v1(9.4,17.8) v1(9.55,46.25) v1(9.65,44.25) v1(9.65,41.75) v1(9.58,16.35) v1(10.15,112.45) v1(10.1,111.45) v1(10.38,36.55) v1(10.4,16.75) v1(10.5,101.05) v1(10.6,28) v1(10.63,12.35) v1(10.7,59.2) v1(10.9,83.75) v1(10.95,60.98) v1(10.98,89.45) v1(10.98,79.68) v1(11.1,81.8) v1(11.06,33.96) v1(11.35,70.55) v1(11.5,87.7) v1(11.6,71.6) v1(11.83,80.8) v1(12,84.5) v1(12.35,14.9) v1(12.4,69.2) v1(12.4,23.85) v1(12.5,94.98) v1(12.55,25.25) v1(12.75,78.83) v1(13,82.11) v1(13.04,42.08) v1(13,11.5) v1(13.15,107.4) v1(13.13,35.65) v1(13.08,34.8) v1(13.23,33.78) v1(13.33,32.75) v1(13.43,31.43) v1(13.52,30.71) v1(13.6,109.65) v1(13.6,53.5) v1(13.83,63.3) v1(13.78,47.48) v1(13.8,10.2) v1(14,74.3) v1(14.13,68.05) v1(14.25,71.55) v1(14.35,21.7) v1(14.4,85.8) v1(14.5,27.8) v1(14.8,46.55) v1(14.85,37.48) v1(15,59.3) v1(15.15,67.9) v1(15.4,10.4) v1(15.48,94.68) v1(15.6,102.4) v1(15.63,63.3) v1(15.98,59.58) v1(16.1,109.65) v1(16.2,88.4) v1(16.2,58) v1(16.23,38.5) v1(16.35,90.53) v1(16.43,85.18) v1(16.4,37.33) v1(16.38,36.05) v1(16.45,26.2) v1(16.6,60.4) v1(16.6,58.7) v1(17.1,52.2) v1(17.13,45.98) v1(17.25,86.88) v1(17.18,43.93) v1(17.4,53.1) v1(17.5,57.2) v1(17.53,37.25) v1(17.9,59.1) v1(18.1,18.2) v1(18.3,87.73) v1(18.4,53.1) v1(18.55,109.65) v1(18.65,63.25) v1(18.6,57.4) v1(18.6,52.1) v1(18.8,31.53) v1(18.93,94.83) v1(19,38.45) v1(19,17.4) v1(19.13,71.33) v1(19.16,53.76) v1(20.1,63.2) v1(20.13,40.9) v1(20.23,43.25) v1(20.25,37.03) v1(20.18,30.6) v1(20.35,98.4) v1(20.29,81.83) v1(20.5,71.3) v1(20.58,29.58) v1(20.7,74.48) v1(21.2,109.65) v1(21.5,53.6) v1(21.65,30.53) v1(21.9,61.53) v1(21.9,41.03) v1(22,78.38) v1(22.03,35.03) v1(22.35,71.38) v1(22.6,31.48) v1(22.75,60.83) v1(22.68,29.9) v1(22.8,55.7) v1(22.79,14.92) v1(22.88,63.38) v1(23.03,94.73) v1(23.03,40.13) v1(23.55,43.03) v1(23.7,109.65) v1(23.8,45.23) v1(24.1,47.88) v1(24.25,37.55) v1(24.6,79.4) v1(24.65,42.85) v1(24.7,45.48) v1(25.2,8.4) v1(25.5,94.7) v1(25.7,79.45) v1(25.9,61.05) v1(25.95,54.88) v1(25.88,37.9) v1(25.9,36.95) v1(26.13,62.93) v1(26.25,109.65) v1(26.23,82.38) v1(26.2,49.2) v1(26.4,48.33) v1(26.45,43.1) v1(26.43,32.03) v1(26.53,35.8) v1(26.48,33.58) v1(26.73,45.88) v1(27.15,98.3) v1(27.95,85.6) v1(28,84.3) v1(28.15,94.73) v1(28.3,12.7) v1(28.6,78) v1(28.9,109.6) v1(29.2,12.4) v1(29.2,8.6) v1(30.45,78.6) v1(30.68,94.7) v1(30.75,80.95) v1(30.93,51.05) v1(31,45.8) v1(31.03,40.4) v1(31.15,48.58) v1(31.08,39.23) v1(31.18,56.38) v1(31.18,54.78) v1(31.23,53.53) v1(31.25,31.85) v1(31.35,109.65) v1(31.28,30.93) v1(31.5,35.7) v1(31.48,32.88) v1(31.73,34.13) v1(32,98.4) v1(32.34,71.31) v1(33.05,93.15) v1(33.8,109.65) v1(34.75,30.33) v1(34.9,27.88) v1(35.13,26.45) v1(35.23,29.18) v1(35.23,24.95) v1(35.35,85.55) v1(35.4,84) v1(35.4,82.35) v1(35.52,90) v1(36.33,31.2) v1(36.4,109.6) v1(36.5,33.68) v1(36.48,26.48) v1(36.59,87.91) v1(36.63,60.1) v1(36.65,32.53) v1(36.63,28.28) v1(36.73,51.63) v1(36.7,17.05) v1(36.8,29.53) v1(36.8,25.35) v1(36.93,24.28) v1(37,9) v1(37,8) v1(37.34,91.21) v1(38.13,55.85) v1(38.54,86.82) v1(38.55,30.15) v1(38.6,19.25) v1(38.68,85.65) v1(38.68,80.8) v1(38.85,109.65) v1(38.76,83.96) v1(38.76,82.32) v1(38.85,27.5) v1(39.05,45.68) v1(39,26) v1(39.31,106.75) v1(39.75,62.25) v1(41.15,96.65) v1(41.35,109.6) v1(41.34,84.09) v1(41.47,36.72) v1(41.5,35.83) v1(41.95,85.6) v1(42.05,96.6) v1(42.15,93.45) v1(42.1,50.7) v1(42.2,39.2) v1(42.35,52.83) v1(42.66,61.99) v1(42.9,43.55) v1(43.45,94.45) v1(43.83,90.07) v1(44,109.7) v1(44.19,84.05) v1(44.69,79.68) v1(45,32) v1(45,28) v1(45.13,19.58) v1(45.6,82.4) v1(45.8,85.65) v1(46,32.7) v1(46,30) v1(46,9) v1(46,8) v1(46.4,39.2) v1(46.38,20) v1(46.55,109.7) v1(46.5,97.95) v1(46.88,21.25) v1(47,86.8) v1(46.98,22.25) v1(47.4,51.95) v1(47.45,36.2) v1(47.65,22.98) v1(47.8,34.5) v1(48.03,45.58) v1(48.5,33.8) v1(48.58,17.65) v1(48.86,89.96) v1(49.05,109.7) v1(49.1,23.2) v1(49.15,21.7) v1(49.25,93.2) v1(49.23,18.45) v1(49.68,49.78) v1(50,97.65) v1(50.5,52.5) v1(51.03,20.23) v1(51.1,19.05) v1(51.25,23.45) v1(51.4,25.8) v1(51.6,109.65) v1(52.05,19.42) v1(52.25,82.3) v1(52.2,80.15) v1(52.4,86.8) v1(52.4,85.6) v1(52.45,83.8) v1(52.7,98.25) v1(53.35,52.13) v1(53.3,21.93) v1(53.28,21.23) v1(53.28,20.15) v1(54,8) v1(54.12,87.9) v1(54.2,109.55) v1(54.45,90) v1(54.83,58.45) v1(55,25.6) v1(55,8) v1(55.33,21.58) v1(55.33,19.1) v1(55.58,65.83) v1(56.43,27.73) v1(56.5,99.35) v1(56.55,29.35) v1(56.65,109.55) v1(56.58,49.2) v1(56.75,45.68) v1(57,23.4) v1(57.1,91.85) v1(57.1,26.55) v1(57.2,93.8) v1(58.63,91.95) v1(58.65,26.03) v1(58.69,90.01) v1(58.73,27.11) v1(58.77,31.45) v1(58.95,102.85) v1(58.89,82.51) v1(58.93,79.98) v1(58.99,84.12) v1(59.1,85.55) v1(59.25,21.2) v1(59.23,9.25) v1(59.8,32.68) v1(59.9,109.85) v1(59.95,26.6) v1(60.1,111.9) v1(60.1,42.3) v1(60.58,23.28) v1(61.18,44.35) v1(61.18,31.83) v1(61.27,29.41) v1(61.48,26.33) v1(61.55,14.98) v1(61.63,101.68) v1(61.58,18) v1(61.7,91.98) v1(61.75,33.63) v1(61.78,39.23) v1(61.79,9.27) v1(61.93,27.73) v1(62.19,80.25) v1(62.25,35.23) v1(62.35,29.65) v1(62.43,58.93) v1(62.75,21.05) v1(63.22,82.68) v1(63.25,76.5) v1(63.75,103.18) v1(64.18,9.29) v1(64.35,109.45) v1(64.38,90.04) v1(64.95,43.65) v1(65.24,15.39) v1(65.35,77.4) v1(65.43,61.8) v1(65.55,80.11) v1(65.55,39.28) v1(65.48,27.88) v1(65.85,25) v1(66,16.9) v1(66.32,76.86) v1(66.33,43.7) v1(66.38,41.35) v1(66.55,32.05) v1(66.9,100.2) v1(66.88,9.3) v1(67,109.75) v1(67,22.2) v1(67.25,80.7) v1(67.2,35.25) v1(67.38,25.43) v1(67.55,91.6) v1(67.55,82.35) v1(67.5,31.65) v1(67.63,43.73) v1(67.68,42.65) v1(67.8,78.05) v1(67.89,84.33) v1(67.88,18.5) v1(67.96,86.38) v1(68.08,89.5) v1(68.3,34.95) v1(68.28,25.13) v1(68.45,58.9) v1(68.6,22.95) v1(68.9,30.53) v1(69.45,109.75) v1(69.45,9.28) v1(69.88,34.18) v1(69.93,31.08) v1(70,17.95) v1(70.5,35.33) v1(70.6,68.1) v1(71.15,22.68) v1(71.95,109.75) v1(71.9,35.28) v1(71.98,44.05) v1(72,34.08) v1(71.97,9.28) v1(72.38,41.68) v1(72.53,39.45) v1(72.75,79.45) v1(72.68,24.1) v1(72.83,54.63) v1(72.88,91.45) v1(72.9,25.35) v1(73.15,84.33) v1(73.13,74.71) v1(73.23,88.88) v1(73.26,86.97) v1(73.3,80.9) v1(73.39,76.25) v1(73.58,38.08) v1(73.78,36.23) v1(73.95,77.34) v1(74,51.03) v1(74.15,25.05) v1(74.43,43.98) v1(74.48,9.33) v1(74.65,110.35) v1(74.78,31.08) v1(74.93,38.7) v1(75,74.51) v1(75,70) v1(75.08,26.93) v1(75.25,18.65) v1(75.4,97.98) v1(75.38,91.4) v1(75.6,86.93) v1(75.59,81.44) v1(75.73,51.95) v1(75.78,84.83) v1(75.84,83.04) v1(75.8,23.65) v1(76.35,37.48) v1(76.5,70.25) v1(76.6,33.43) v1(76.73,31.2) v1(77.05,110.2) v1(77.04,86.32) v1(77,84.8) v1(77,68) v1(77.05,40.9) v1(77.05,38.48) v1(77.03,9.38) v1(77.29,81.55) v1(77.28,74.78) v1(77.53,90.85) v1(78.05,97.93) v1(78.02,79.29) v1(78.08,94.93) v1(78.25,87.1) v1(78.8,73.15) v1(78.88,31.28) v1(79.3,88.5) v1(79.52,96.87) v1(79.6,110.15) v1(79.65,82.05) v1(79.58,9.37) v1(79.73,92.58) v1(79.73,80.34) v1(79.7,22.4) v1(79.75,17.95) v1(79.85,37.03) v1(80.13,88.73) v1(80.17,51.85) v1(80.43,34.6) v1(80.68,87.55) v1(80.8,70.1) v1(80.93,82.78) v1(80.86,74.74) v1(81,63) v1(81.08,66.28) v1(81.23,79.91) v1(81.5,72.3) v1(81.8,90.4) v1(82.15,110.1) v1(82.14,9.37) v1(82.4,95.22) v1(82.53,74.8) v1(83.3,19.3) v1(83.45,23) v1(84.68,96.75) v1(84.68,9.4) v1(84.79,76.27) v1(85.2,110.2) v1(85.33,69.74) v1(85.4,112.7) v1(85.5,65.05) v1(85.75,31.75) v1(86.26,96.1) v1(86.91,102.5) v1(87.13,9.43) v1(87.23,58.13) v1(87.65,67.08) v1(87.63,61.9) v1(87.63,59.85) v1(87.65,35.05) v1(87.73,54.25) v1(87.85,56.58) v1(88.05,87.38) v1(88.15,89.73) v1(88.28,46.03) v1(88.43,62.75) v1(88.55,15.65) v1(88.6,21.55) v1(88.73,73.66) v1(89,60.95) v1(89.03,55.48) v1(89.35,109.65) v1(89.28,61.8) v1(89.55,112.05) v1(89.49,77.34) v1(89.6,84.4) v1(89.58,63.88) v1(90.25,68.03) v1(90.5,27) v1(91.03,59.13) v1(91.13,43.1) v1(91.23,69.58) v1(91.43,89.3) v1(91.53,66.88) v1(91.53,65.3) v1(91.55,61.38) v1(91.57,45.31) v1(91.65,35.6) v1(91.6,30.05) v1(91.75,56.58) v1(91.78,54.65) v1(92.03,55.4) v1(92.24,9.39) v1(92.4,88.2) v1(92.58,91.43) v1(92.6,64.53) v1(92.73,69) v1(92.7,19.95) v1(92.78,61.4) v1(92.9,17.2) v1(93,59.73) v1(93.13,58.35) v1(93.7,71) v1(93.75,54.2) v1(93.73,40.73) v1(93.7,39.15) v1(93.78,66.5) v1(93.85,65.45) v1(93.95,27.95) v1(94.33,55.18) v1(94.45,58.45) v1(95.03,9.36) v1(95.1,71.03) v1(95.1,65.53) v1(95.1,32.28) v1(95.2,72.65) v1(95.29,81.65) v1(95.28,73.95) v1(95.4,90.8) v1(95.58,55.4) v1(95.75,111.8) v1(95.8,109.75) v1(95.9,45.15) v1(96.05,69.1) v1(96.48,35.78) v1(96.6,64.23) v1(96.68,61.23) v1(96.7,58.48) v1(96.93,42.75) v1(97,53.98) v1(97.23,55.73) v1(97.2,37.7) v1(97.2,25.4) v1(97.2,20.15) v1(97.2,16.95) v1(97.33,59.1) v1(97.39,9.33) v1(97.6,111.8) v1(97.65,109.7) v1(97.6,94.6) v1(97.6,64.95) v1(98.13,72.1) v1(98.2,97.4) v1(98.25,69.13) v1(98.23,47.03) v1(98.4,91.2) v1(98.9,83.05) v1(99.31,88.91) v1(99.49,61.74) v1(99.64,47) v1(100.08,57.63) v1(100.13,56.1) v1(100.3,53.88) v1(100.45,74.3) v1(100.8,103.93) v1(100.94,76.26) v1(100.95,19.9) v1(101.05,63.18) v1(101.2,15.55) v1(101.16,7.88) v1(101.35,87.5) v1(101.33,26.68) v1(101.43,86.28) v1(101.38,84.97) v1(101.6,79.37) v1(101.73,59.3) v1(101.8,60.2) v1(102,69.03) v1(102.45,72.58) v1(102.43,29.08) v1(102.78,54.15) v1(102.95,64.2) v1(103.2,61.8) v1(103.63,40.75) v1(103.73,43.05) v1(103.85,78.73) v1(104.05,109.55) v1(104,45.23) v1(104.15,111.8) v1(104.2,49.58) v1(104.83,61.83) v1(104.85,54.93) v1(105,19) v1(105,13) v1(104.99,9.57) v1(105.2,25.48) v1(105.35,21.83) v1(105.48,49.55) v1(105.75,61.78) v1(105.73,35.83) v1(105.85,73.7) v1(106.03,54.65) v1(106.16,83.68) v1(106.2,82.42) v1(106.17,81.22) v1(106.21,80.04) v1(106.28,78.82) v1(106.38,76.24) v1(106.47,77.46) v1(106.48,31.88) v1(107,13) v1(107.23,46.4) v1(107.52,9.56) v1(107.8,97.2) v1(107.8,93.4) v1(109.03,45.5) v1(109.08,50.4) v1(109.48,50.83) v1(109.8,55.33) v1(110,60.5) v1(109.98,25.68) v1(110,13) v1(110.08,9.65) v1(110.23,61.08) v1(110.45,50.95) v1(110.6,102) v1(110.85,55.53) v1(110.83,49.23) v1(110.85,48.55) v1(110.9,69.75) v1(110.93,50.35) v1(111.03,54.75) v1(111.23,88.37) v1(111.18,56.83) v1(111.28,45.28) v1(111.38,58.68) v1(111.45,57.7) v1(111.85,38.6) v1(111.83,31) v1(112.45,62.1) v1(112.53,68.05) v1(112.64,9.59) v1(112.68,50.98) v1(112.83,60.23) v1(113.2,48.55) v1(113.3,28) v1(113.4,96.6) v1(113.65,57.48) v1(113.6,45.28) v1(114.85,50.95) v1(114.93,72) v1(115.05,72.8) v1(114.98,34.9) v1(115.09,83.7) v1(115.11,82.45) v1(115.07,81.17) v1(115.12,80.05) v1(115.07,78.79) v1(115.08,77.53) v1(115.1,76.26) v1(115.15,54.9) v1(115.08,12.35) v1(115.14,9.55) v1(115.2,87.4) v1(115.4,106.72) v1(115.5,57.25) v1(115.55,25.73) v1(116.2,54.83) v1(116.28,69.25) v1(116.6,96.8) v1(116.63,63) v1(116.75,64.55) v1(116.85,67.6) v1(116.88,58.83) v1(116.88,56.23) v1(117.18,68.83) v1(117.24,25.06) v1(117.33,54.7) v1(117.35,35.68) v1(117.3,29.75) v1(117.45,66.08) v1(117.4,42.95) v1(117.4,39.35) v1(117.78,70.68) v1(117.85,62.85) v1(117.85,57.1) v1(117.91,85.22) v1(117.98,75.86) v1(118.03,64.9) v1(118.2,44.5) v1(118.65,58.73) v1(118.67,81.6) v1(118.7,69.6) v1(118.95,56.63) v1(119.13,44.5) v1(119.15,42.63) v1(119.21,77.14) v1(119.43,39.35) v1(119.4,37.3) v1(119.37,24.76) v1(119.65,87.16) v1(119.59,83.59) v1(119.63,30.63) v1(119.73,88.53) v1(119.83,10.38) v1(119.88,58.78) v1(119.86,16.77) v1(120,97.2) v1(120.12,80.63) v1(120.2,69.3) v1(120.2,44.25) v1(120.5,50.23) v1(120.6,62.3) v1(120.6,51.35) v1(120.8,102.88) v1(120.9,66.6) v1(121.23,59.25) v1(121.3,42.63) v1(121.45,40.15) v1(121.6,86.8) v1(122.05,23.88) v1(122.28,48.4) v1(122.8,91.4) v1(123.08,35.65) v1(123.33,44.25) v1(123.6,111.45) v1(123.73,48.43) v1(123.85,74.9) v1(123.8,66.3) v1(124,64.2) v1(124.03,49.8) v1(124,33) v1(124.08,54.38) v1(124.13,43.68) v1(124.13,42.15) v1(124.23,55.25) v1(124.6,44.45) v1(124.68,108.45) v1(124.68,62.63) v1(124.93,48.4) v1(125,88.9) v1(124.98,74.6) v1(125.38,49.85) v1(125.5,73.78) v1(126,78.2) v1(126.2,55.8) v1(126.75,106.9) v1(127,48.43) v1(127.6,92.8) v1(127.6,71.6) v1(129.1,94.3) v1(129.4,74.6) v1(129.9,79.6) v1(130.2,82.4) v1(130.3,98.5) v1(130.4,109.3) v1(130.6,102.5) v1(132.2,87.6) v1(132.2,80.1) v1(132.45,44.9) v1(132.7,67.8) v1(132.85,109.25) v1(132.8,103.1) v1(133.1,49.68) v1(133.2,50.65) v1(135.45,44.38) v1(135.55,46.4) v1(135.55,43.3) v1(135.65,74.25) v1(135.65,47.55) v1(135.75,107.15) v1(136.3,88.9) v1(136.28,30.08) v1(136.4,73.5) v1(136.55,24.1) v1(136.6,84.8) v1(136.78,42.8) v1(137.1,55.38) v1(137.1,54.03) v1(137.15,52.15) v1(137.15,51.05) v1(137.38,44.4) v1(137.4,36.2) v1(137.6,93.1) v1(138.03,25.5) v1(138.5,98.3) v1(138.9,61.3) v1(138.95,38.63) v1(138.93,26.6) v1(139,63.6) v1(139,58.2) v1(139.23,52.25) v1(139.4,69.03) v1(139.4,56.13) v1(139.4,53.75) v1(139.53,50.58) v1(139.5,48) v1(139.48,44.2) v1(139.5,28.25) v1(139.8,21.2) v1(140.7,73.2) v1(140.8,71.9) v1(140.8,27.4) v1(141.63,41.65) v1(141.8,61.4) v1(141.8,46.68) v1(142.03,51.15) v1(142.05,36.05) v1(142.2,70.4) v1(142.3,64) v1(142.5,72.7) v1(142.8,68.1) v1(143.15,26.7)